# Altium PCB MU2_M.PcbDoc (part 2 of 2)
Units mm, origin at the board's own origin, x right, y up, seen from the top; angles counter-clockwise.
Board outline 200 x 140 mm, 4 copper layers (Top Layer, gnd, PITANIE, Bottom Layer), stack 0.777 mm thick; 379 components, 284 nets, 1704 pads, 111 vias.
Unrouted connection lines stored in the file: 732.
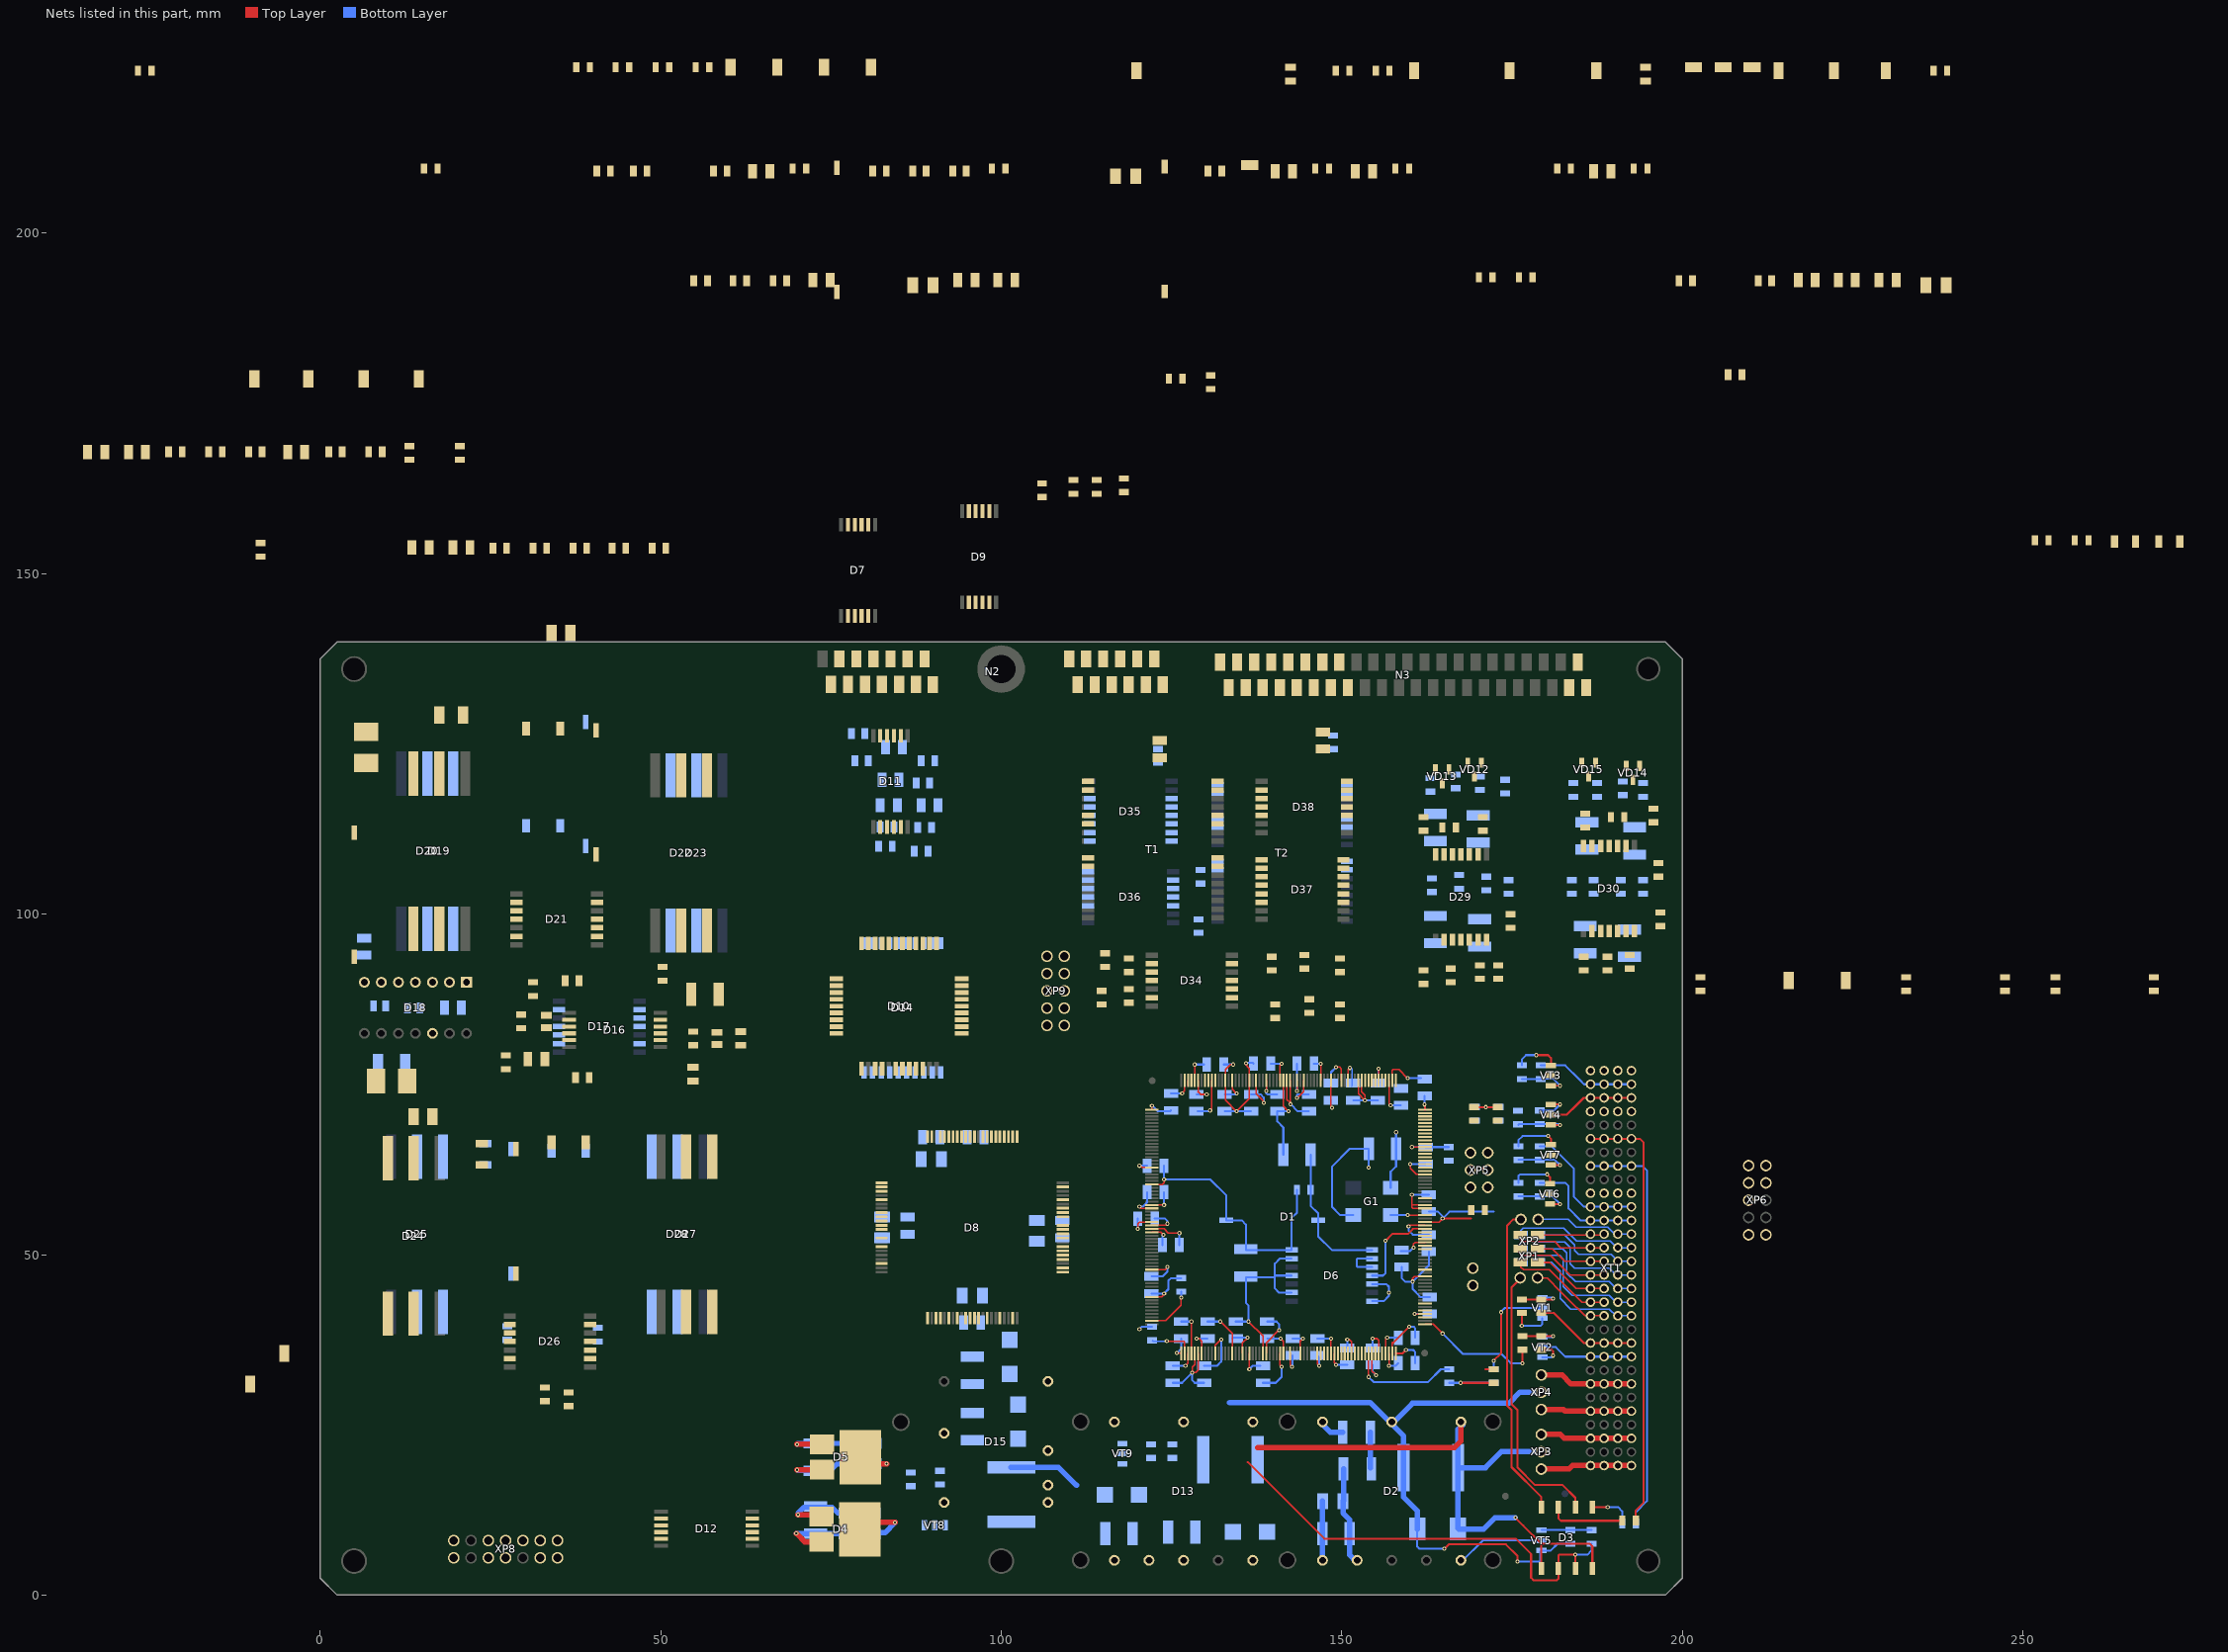
[diagram p4: the nets of this part, all layers, seen from the top]

## Part data
C1: library part K53-56-50V-3u3F±20, "TYPE4"
C2 C65 C86: library part K10-47V-50V-0u47F, "ChipCapasitor"
C3 C7 C9 C10: library part K53-56-10V-6u8F±20, "TYPE2"
C4 C8 C11 C13 C15 C68 C69 C84 C87 C92 C94 C100 C104 C108 C112: library part K10-17V-N90-0u1F, "K10_17V_N90_5"
C5 C6: library part K10-47V-100V-0u01F, "ChipCapasitor"
C12 C16 C23 C73 C77 C79 C81 C83: library part K53-56-6.3V-10uF±20, "TYPE2"
C14: library part K10-17V-N90-0u47F, "ChipCapasitor"
C17 C20 C22 C25 C26 C27 C28 C29 C30 C31 C32 C33 C34 C35 C36 C37 C38 C39 C40 C41 C42 C43 C44 C45 C46 C47 C48 C49 C50 C51 C52 C53 C54 C55 C56 C57 C58 C59 C60 C61 C62 C63 C67 C70 C72 C74 C75 C76 C78 C80 C82 C89 C90 C91 C93 C97 C120 C121 C122: library part K10-17V-N90-0u068F, "ChipCapasitor"
C18 C19 C21 C24 C64 C66 C71: library part K10-17V-N50-0u015F, "K10_17V_N50_4"
C85 C88 C123 C124: library part K53-56-20V-10uF±20, "TYPE3"
C95 C98: library part K10-17V-N50-1000pF, "K10_17V_N50_1"
C96 C99: library part K10-17V-M47-22pF±5, "K10_17V_M47_2"
C102 C106 C110 C114: library part K10-17V-N50-0u022F, "K10_17V_N50_5"
D1: library part 5576XC7T, "ПЛИС"
D2: library part SMSA28xxS, "DC/DC 5W single"
D3: "2x SS-relay"
D4: library part 1325EN3_3U, "Volt reg, Iout=0.8A, Uout=3.3V"
D5: library part 1325EN1_8U, "Volt reg, Iout=0.8A, Uout=1.8V"
D6: "Инв.+гист. х6"
D7 D9 D11 D12 D16: library part 544UD16U3, "operational amplifier"
D8: library part 1874VE7T, "16-bit microcontroller (based on MCS-96)"
D10: library part 1636RR1AU, "EEPLD"
D13: library part SMSA2815D_KR, "DC/DC 5W dual"
D14: library part 1564IR33T
D15: library part SLH2812D_KR, "DC/DC 1.5W dual"
D17 D21 D26 D34: library part 249KP1S, "2ch transistor optocouple"
D18: library part 1401SA1, "4ch volt compar Up=5-30V, Iin<=100nA, output-open collector"
D19 D20 D22 D23 D24 D25 D27 D28: library part 249KP23T, "2ch SS-relay"
D29 D30 D36 D38: library part 1NT251A, "4x n-p-n"
D35 D37: library part 2DS627_BLOCK, "2DS627_BLOCK"
G1: "oscillator 3V3"
N2: library part bSNP333-26, "board analog SNP333-26"
N3: library part bSNP333-44, "board analog SNP333-44"
R1 R6 R11 R19 R22 R41 R74: library part R1-112-0W125-302±5, "chip"
R2 R7 R20 R23: library part R1-112-0W125-822±5, "chip"
R3 R5 R8 R10 R21 R24 R31 R32 R33 R50 R51 R52 R107 R115 R119 R123 R131 R135 R139 R147 R151 R155 R163 R167 R191 R192: library part R1-112-0W125-102±5, "chip"
R4 R9: library part R1-112-0W125-512±5, "chip"
R12 R40 R75: library part R1-112-0W125-273±5, "chip"
R13 R14 R204 R205 R207: library part R1-112-0W125-561±5, "chip"
R15 R16 R17 R25 R77 R79 R88 R89 R93 R95 R103 R104 R170 R171 R172 R173 R187 R188: library part R1-112-0W125-103±5, "chip"
R18: library part R1-112-0W125-563±5, "chip"
R26 R37 R48: library part R1-8MP-0w125-1003±0,1, "chip"
R27 R38 R49: library part R1-8MP-0w125-2492±0,1, "chip"
R28 R39 R53: library part R1-8MP-0w125-2051±0,5, "chip"
R29 R34 R36 R42 R44 R46 R54 R56 R58: library part R1-8MP-0w125-2052±0,1, "chip"
R30 R43 R55 R67 R71: library part R1-8MP-0W125-1001±0,5, "chip"
R35 R45 R57: library part R1-8MP-0w125-5110±0,5, "chip"
R47 R63 R68 R69 R73 R203: library part R1-112-0W125-101±5, "chip"
R59 R60 R121 R137 R153 R169: library part R1-112-0W125-623±5, "chip"
R61*: library part C2-29V-0W125-6491±0_1
R62: library part R1-8MP-0w125-3651±0,1, "chip"
R65: library part R1-8MP-0w125-7681±0,1, "chip"
R66: library part R1-8MP-0w125-1331±0,1, "chip"
R70: library part R1-8MP-0w125-4870±0,5, "chip"
R72: library part R1-8MP-0w125-2801±0,5, "chip"
R76 R92 R201 R202 R206: library part R1-112-0W125-202±5, "chip"
R78 R81 R94 R97 R208 R209: library part R1-8MP-0W125-4991±0,1, "chip"
R80 R96: library part R2-105-2W-R01±5, "chip"
R82 R189 R190: library part R1-112-0W125-751±5, "chip"
R83 R98 R111 R113 R127 R129 R143 R145 R159 R161: library part R1-112-0W125-304±5, "chip"
R84 R85 R90 R91 R99 R100 R105 R106: library part R1-112-0W125-201±1, "chip"
R86 R87 R101 R102: library part R1-112-0W25-392±5, "chip"
R108 R124 R140 R156: library part R1-112-0W125-203±5, "chip"
R116 R132 R148 R164: library part R1-112-0W125-223±5, "chip"
R193 R195 R197 R198 R199 R200: library part R1-112-0W125-911±5, "chip"
R194 R196: library part R1-112-0W125-621±5, "chip"
T1 T2: library part BTI9-215, "BTI9-215"
VD1: "диод"
VD2 VD3: library part 2S108D
VD4 VD6 VD8 VD10: library part 2D212A, "2D212A"
VD5 VD7 VD9 VD11: library part 2S212ZH, "2S212ZH"
VT1 VT2 VT3 VT4 VT5 VT6 VT7 VT8 VT9: "n-p-n"
XP1 XP2: library part SNP346-8VP21-1, "PLS-8"
XP3 XP4: "PLS-3"
XP5: "PLD-6"
XP6: library part SNP346-10VP21-2, "PLD-10 for JTAG"
XP7: library part SNP346-2VP21-1, "PLS-2"
XP8: library part snp346-14vp-21-2, "PLD-14"
XP9: library part SNP346-10VP21-2m, "PLD-10"
XT1: "PC-104 120 pin"

## Free pads (board coordinates)
  round 3.8 hole 3.2: 0(5,5) 0(5,136) 0(100,5)
  round 7 hole 4.2: 0(100,136)
  round 2.6 hole 2 mask+0.15: 0(111.675,5.14) 0(142.025,5.14) 0(142.025,25.46) 0(172.175,5.14) 0(172.175,25.46) mount1(85.275,25.4) mount1(111.675,25.46)
  round 1 smd mask+1: 0(174.025,14.525)
  round 1 smd far side mask+1: 0(182.775,14.9)
  round 3.6 hole 3: 0(195,5) 0(195,136)

## Via types
v1: diameter 0.6, hole 0.3, Top Layer to Bottom Layer, 111 vias

## Nets (pads, with @x,y where several pads share a name; then routed paths per layer and width w, separated by ;. In a path a pad name is that pad's centre, name@x,y a point inside that pad or via, vN(x,y) a via of type N, cw(c..) or ccw(c..) an arc to the next point about the centre after c; other vN are vias at no path point)
+1V8: C12.plus C25.2 C26.2 C27.2 C28.2 C29.2 C30.2 C31.2 C32.2 C33.2 C34.2 C35.2 C36.2 C37.2 C38.2 C39.2 C40.2 C56.2 C57.2 C58.2 C59.2 C60.2 C61.2 D1.30 D1.66 D1.67 D1.70 D1.79 D1.92 D1.94 D1.106 D1.113 D1.123 D1.127 D1.163 D1.165 D1.193 D1.195 D1.199 D1.203 D1.211 D1.223 D1.243 D1.251 D1.253 D5.1 R205.2 | length 112
  Top Layer w0.2: D1.165@122.125,53.3 123.423,53.3 v1(123.799,52.925) ; D1.163@122.125,54.3 124.174,54.3 v1(124.424,54.55) ; v1@125.85,35.5 D1.193@126.425,35.5 ; v1(126.55,73.675) 126.925,74.05 D1.127@126.925,75.6 ; v1(127.05,33.675) 127.425,34.05 D1.195@127.425,35.5 ; v1(128.675,37.675) 129.05,37.675 129.425,37.3 D1.199@129.425,35.5 ; 128.925,73.925 D1.123@128.925,75.6 ; D1.203@131.425,35.5 131.425,36.675 v1(132.3,37.55) ; D1.113@133.925,75.6 133.925,74.3 v1(134.55,73.675) ; D1.211@135.425,35.5 135.425,37.05 v1(136.175,37.8) ; D1.106@137.425,75.6 137.425,73.675 138.55,72.55 v1(138.55,72.3) ; v1(141.05,37.675) 141.425,37.3 D1.223@141.425,35.5 ; v1@143.425,74.051 v1(143.424,74.05) 143.424,75.599 D1.94@143.425,75.6 ; v1@143.55,73.05 144.425,73.925 D1.92@144.425,75.6 ; v1(150.8,37.55) 151.05,37.55 151.425,37.175 D1.243@151.425,35.5 ; D1.79@150.925,75.6 150.925,77.175 v1(151.175,77.425) ; 155.175,37.675 155.425,37.425 D1.251@155.425,35.5 ; v1(155.387,77.3) 155.425,77.263 D1.70@155.425,75.6 ; D1.253@156.425,35.5 156.425,37.55 v1(156.675,37.8) ; D1.67@156.925,75.6 156.925,72.175 v1(157.175,71.925) ; D1.66@157.425,75.6 157.425,77.05 157.55,77.175 158.425,77.175 v1(159.675,75.925) ; v1(159.8,54.175) 159.925,54.3 D1.30@162.225,54.3
  Top Layer w0.3: 128.925,73.925 129.299,73.551 v1(130.176,73.551) ; v1(154.55,37.675) 155.175,37.675
  Top Layer w0.5: D5.1@79.3,20.275 D5.1@80.275,19.3
  Top Layer w0.8: D5.1@80.275,19.3 v1(83.175,19.3)
  Bottom Layer w0.2: v1(151.175,77.425) 151.425,77.425 151.55,77.3 151.55,74.8 C27.2@151.425,74.675 ; v1(155.387,77.3) 155.387,75.388 155.512,75.263 C26.2@155.425,75.175
  Bottom Layer w0.3: C33.2@122.55,55.3 124.05,55.3 124.424,54.926 v1(124.424,54.55) ; C34.2@123.675,51.425 123.675,52.801 v1(123.799,52.925) ; C58.2@124.925,73.675 v1(126.55,73.675) ; C60.2@125.175,33.675 v1(127.05,33.675) ; v1@125.85,35.5 v1(125.8,35.55) 126.425,36.175 C59.2@126.425,37.675 ; v1(128.675,37.675) C35.2@130.3,37.675 ; C32.2@128.675,73.55 v1@130.3,73.55 ; C36.2@129.8,33.675 131.675,33.675 132.3,34.3 v1(132.3,37.55) ; v1(130.176,73.551) v1@130.299,73.551 ; C31.2@132.8,73.55 134.425,73.55 v1(134.55,73.675) ; C37.2@133.925,37.675 134.05,37.8 v1(136.175,37.8) ; C30.2@136.675,73.55 138.06,73.55 138.55,73.06 v1(138.55,72.3) ; C38.2@139.05,37.675 v1(141.05,37.675) ; v1@143.425,74.051 C29.2@143.425,78.05 ; v1@143.55,73.05 v1(143.425,73.05) 143.425,73.425 143.55,73.55 C28.2@145.175,73.55 ; C39.2@150.8,36.3 v1(150.8,37.55) ; C40.2@154.55,36.3 v1(154.55,37.675) ; v1(156.675,37.8) C61.2@158.3,37.8 ; v1(157.175,71.925) C57.2@158.675,71.925 ; v1(159.675,75.925) C56.2@161.675,75.925 ; v1(159.8,54.175) 159.8,53.55 160.425,52.925 C25.2@162.8,52.925
  Bottom Layer w0.75: C12.plus@81.3,19.3 v1(83.175,19.3)
+3V3: C9.plus C13.1 C15.2 C16.plus C17.2 C22.2 C23.plus C41.2 C42.2 C43.2 C44.2 C45.2 C46.2 C47.2 C48.2 C49.2 C50.2 C51.2 C52.2 C53.2 C54.2 C55.2 C62.1 C70.2 C72.2 C73.plus C75.1 C76.1 C77.plus C78.1 C79.plus C80.1 C81.plus C82.1 C83.plus D1.4 D1.25 D1.31 D1.53 D1.81 D1.99 D1.103 D1.124 D1.151 D1.158 D1.184 D1.213 D1.225 D1.233 D1.254 D4.1 D6.14 D8.11 D8.33 D8.56 D8.60 D8.78 D8.86 D10.42 D14.20 G1.4 R1.1 R6.1 R15.2 R16.2 R17.2 R18.2 R19.1 R22.1 R25.2 R31.2 R59.2 R69.2 R77.2 R88.2 R89.2 R93.2 R103.2 R104.2 R170.2 R171.2 R172.2 R173.1 R201.2 R202.2 R204.2 VD1.Minus XP6.4 XP8.1 XP8.2 XP9.1 XP9.3 | length 167.3
  Top Layer w0.2: v1(120.3,57.05) 120.55,56.8 D1.158@122.125,56.8 ; D1.184@122.125,43.8 123.55,43.8 123.925,44.175 v1(123.925,44.3) ; D1.151@122.125,60.3 123.675,60.3 123.925,60.55 v1(123.925,61.05) ; D1.124@128.425,75.6 v1(128.425,77.925) ; v1(136.425,33.175) D1.213@136.425,35.5 ; v1(138.925,74.05) D1.103@138.925,75.6 ; D1.99@140.925,75.6 140.925,77.801 v1(141.174,78.05) ; D1.225@142.425,35.5 142.425,33.8 v1(142.675,33.55) ; D1.233@146.425,35.5 146.425,33.925 v1(146.675,33.675) ; v1(149.175,77.55) 149.675,77.55 149.925,77.3 D1.81@149.925,75.6 ; v1(156.925,33.675) 156.925,33.924 156.925,33.925 D1.254@156.925,35.5 ; v1(160.3,65.8) D1.53@162.225,65.8 D1.53@162.875,65.8 ; v1(160.55,51.05) 160.55,51.55 160.8,51.8 D1.25@162.225,51.8 ; v1(160.675,41.3) D1.4@162.225,41.3 ; D1.31@162.225,54.8 164.3,54.8 v1(164.8,55.3)
  Top Layer w0.3: D4.1@79.225,9.675 D4.1@79.725,9.175 ; v1(164.8,55.3) 169,55.3 ; v1(167.425,31.175) R25.2@171.925,31.175 ; R16.2@169.425,71.675 R15.2@172.925,71.675
  Top Layer w0.5: D4.1@79.725,9.175 D4.1@81.225,10.675
  Top Layer w0.8: D4.1@81.225,10.675 v1(84.425,10.675)
  Bottom Layer w0.2: v1(160.3,65.8) C44.2@162.3,65.8
  Bottom Layer w0.3: v1(120.3,39.05) 120.675,39.425 R171.2@122.175,39.425 ; v1(120.3,57.05) 120.8,57.05 121.425,57.675 C50.2@121.425,59.175 ; C51.2@122.05,44.3 v1@123.675,44.3 ; v1(123.925,44.3) 124.55,44.925 124.55,46.175 124.925,46.55 R170.2@126.425,46.55 ; C49.2@123.925,63.05 v1(123.925,61.05) 130.675,61.05 133.05,58.675 VD1.Minus@133.05,55.05 135.3,55.05 135.925,54.425 135.925,50.675 D6.14@142.65,50.675 142.65,55.4 143.425,56.175 R18.2@143.425,59.55 ; v1(128.425,77.925) C48.2@129.8,77.925 ; v1(136.425,33.175) 136.925,33.675 C52.2@138.05,33.675 ; v1(138.925,74.05) 138.925,73.675 139.05,73.55 C47.2@140.55,73.55 ; C46.2@139.55,78.05 v1(141.174,78.05) ; v1(142.675,33.55) 142.8,33.675 C53.2@142.8,35.175 ; C54.2@146.425,35.175 146.675,34.925 v1(146.675,33.675) ; C45.2@148.425,75.175 148.425,76.8 v1(149.175,77.55) ; G1.4@151.675,55.8 149.8,55.8 148.55,57.05 148.55,62.925 151.175,65.55 C15.2@153.975,65.55 v1(153.975,62.775) ; v1(156.925,33.675) 157.925,33.675 C55.2@158.3,34.05 ; C42.2@158.675,50.55 160.05,50.55 v1(160.55,51.05) ; v1(160.675,41.3) C41.2@162.925,41.3 ; C44.2@162.3,65.8 R22.1@165.675,65.8 ; C43.2@162.8,56.3 164.125,56.3 164.8,55.625 ; v1(164.8,55.3) 165.8,56.3 172.3,56.3 ; R172.2@165.8,31.175 R1.1@172.3,31.175 R1.1@172.425,31.175 ; R6.1@169.3,71.675 R17.2@172.8,71.675
  Bottom Layer w0.8: C9.plus@81.175,9.175 82.925,9.175 v1(84.425,10.675)
  other v1: 171.175,71.675
+5V: C3.plus C4.2 C7.plus C8.2 C10.plus C11.2 C100.2 C104.2 C108.2 C112.2 C120.2 C121.2 D2.1 D4.2 D5.2 R107.2 R108.2 R123.2 R124.2 R139.2 R140.2 R155.2 R156.2 R187.2 R188.2 R191.2 R192.2 R207.2 | length 33.8
  Top Layer w0.5: D4.2@72.175,7.8 72.887,7.088 D4.2@73.625,7.825 ; D5.2@72.925,18.4 73.325,18.8 D5.2@73.7,18.425
  Top Layer w0.8: v1(69.925,9.05) 71.175,7.8 D4.2@72.175,7.8 ; v1(70.025,18.4) D5.2@72.925,18.4
  Bottom Layer w0.75: v1(69.925,9.05) 69.95,9.025 C7.plus@77.275,9.025 C7.plus@77.65,9.025 ; v1(70.025,18.4) 70.15,18.275 C11.2@72.65,18.275 74.9,18.275 75.9,19.275 C10.plus@77.4,19.275 C10.plus@77.775,19.275
  Bottom Layer w0.8: D2.1@147.175,4.8 D2.1@147.175,5.115 C4.2@147.175,9.05 C3.plus@147.175,13.8
+5V1: R13.2 XT1.23 XT1.53 XT1.83 XT1.113 | length 61
  Bottom Layer w0.3: XT1.23@186.525,63.025 XT1.53@188.525,63.025 XT1.83@190.525,63.025 XT1.113@192.525,63.025 194.15,63.025 194.8,62.375 194.8,13.8 193.175,12.175 R13.2@193.175,10.55
+5V2: R14.2 XT1.25 XT1.55 XT1.85 XT1.115 | length 64
  Top Layer w0.3: XT1.25@186.525,67.025 XT1.55@188.525,67.025 XT1.85@190.525,67.025 XT1.115@192.525,67.025 193.775,67.025 194.3,66.5 194.3,13.55 193.175,12.425 R14.2@193.175,10.925
+15V: C74.1 C84.2 C85.plus C89.2 C90.2 C122.2 D7.14 D9.14 D11.14 D12.14 D13.1 R206.2
+28V: C1.Plus C2.2 C65.2 C86.2 D2.6 D3.5 D3.8 D13.6 D15.1 XP3.2 | length 90.5
  Top Layer w0.3: v1(175.5,11.375) 175.5,11.35 176.65,10.2 179.3,7.55 ; D3.5@179.3,3.925 179.3,7.55 ; D3.8@186.8,3.925 186.8,7.175 186.425,7.55 179.3,7.55
  Top Layer w0.8: 137.675,21.675 166.55,21.675 167.495,22.62 D2.6@167.495,25.12
  Bottom Layer w0.8: D2.6@167.78,25.03 167.085,24.335 C2.2@167.085,18.71 ; v1(175.5,11.375) 172.5,11.375 170.835,9.71 167.21,9.71 167.085,9.835 C2.2@167.085,18.71 ; XP3.2@179.3,21.05 173.425,21.05 171.085,18.71 C2.2@167.085,18.71
+F1: D1.55 R84.1
+F2: D1.56 R85.1
+F3: D1.57 R99.1
+F4: D1.58 R100.1
-15V: C20.1 C63.1 C67.1 C87.1 C88.minus D7.6 D9.6 D11.6 D13.3 R121.1 R137.1 R153.1 R169.1
-28V: C1.Minus C2.1 C65.1 C86.1 D2.7 D13.7 D15.2 R11.1 R41.1 R74.2 VT5.E VT8.E VT9.E XP4.2 | length 105.5
  Top Layer w0.3: v1(165.05,6.8) 165.705,7.455 174.095,7.455 175.8,5.75 v1(175.8,4.925)
  Bottom Layer w0.3: C1.Minus@161.085,9.71 161.085,7.14 161.425,6.8 v1(165.05,6.8) ; v1(175.8,4.925) 179.05,4.925 179.175,5.05 179.175,6.395 VT5.E@179.33,6.55 180.675,6.55 181.675,7.55 R11.1@183.55,7.55
  Bottom Layer w0.8: C65.1@101.425,18.75 108.425,18.75 111.05,16.125 ; 133.55,28.3 154.155,28.3 D2.7@157.335,25.12 ; C1.Minus@161.085,9.71 161.085,12.39 159.085,14.39 C2.1@159.085,18.71 159.085,23.37 D2.7@157.335,25.12 ; XP4.2@179.3,29.8 176.175,29.8 174.55,28.175 160.39,28.175 D2.7@157.335,25.12
-F1: D1.59 R90.1
-F2: D1.60 R91.1
-F3: D1.61 R105.1
-F4: D1.62 R106.1
\RD_1: D8.68 D10.31
\RESET_1: D1.241 XP8.13
\RSTCPU: D1.247 D8.15 R47.1 R202.1
\SS: D1.246 D8.18
\WE_1: D8.40 R201.1 R203.1
A0_1: D10.13 D14.19
A1_1: D10.12 D14.18
A2_1: D10.11 D14.17
A3_1: D10.10 D14.16
A4_1: D10.9 D14.15
A5_1: D10.8 D14.14
A6_1: D10.7 D14.13
A7_1: D10.6 D14.12
AD0_1: D8.67 D10.14 D14.2
AD1_1: D8.66 D10.18 D14.3
AD2_1: D8.65 D10.19 D14.4
AD3_1: D8.63 D10.22 D14.5
AD4_1: D8.62 D10.23 D14.6
AD5_1: D8.61 D10.24 D14.7
AD6_1: D8.59 D10.25 D14.8
AD7_1: D8.58 D10.28 D14.9
AD8_1: D8.52 D10.35
AD9_1: D8.51 D10.34
AD10_1: D8.50 D10.30
AD11_1: D8.49 D10.33
AD12_1: D8.48 D10.4
AD13_1: D8.47 D10.36
AD14_1: D8.46 D10.37
AD15_1: D8.45 D10.3
ADC_MID: D8.8 R36.2 R46.2 R58.2 R59.1 R60.2
ADDR1: D1.118 R15.1 XP5.4
ADDR2: D1.120 R16.1 XP5.5
ADDR3: D1.121 R17.1 XP5.6
ALE_1: D8.69 D14.1
CASE: C6.1 D2.8 D13.8 K2.1 K3.1 K4.1 N1.1.1 N3.43 XT1.30 XT1.60 XT1.90 XT1.120 | length 3.5
  Bottom Layer w0.8: D2.8@147.175,25.12 147.175,25.05 148.3,23.925 C6.1@150.125,23.925
CLK: D1.33 G1.3 | length 5
  Top Layer w0.2: v1(159.674,55.8) D1.33@162.225,55.8
  Bottom Layer w0.3: G1.3@157.175,55.8 v1(159.674,55.8)
CLKCPU: D1.250 D8.74
DBGNMI: D8.75 R32.2 XP8.7
DBGRXD0: D8.27 R33.2 XP8.5
DBGTXD0: D8.26 XP8.11
DIR1: D1.23 R19.2 VT6.C
DIR2: D1.24 R22.2 VT7.C
FOUT1: D1.63 D21.11 R88.1
FOUT2: D1.69 D21.4 R89.1
FOUT3: D1.71 D26.11 R104.1
FOUT4: D1.72 D26.4 R103.1
GND: C3.minus C4.1 C5.2 C7.minus C8.1 C9.minus C10.minus C11.1 C12.minus C13.2 C14.1 C15.1 C16.minus C17.1 C20.2 C22.1 C23.minus C25.1 C26.1 C27.1 C28.1 C29.1 C30.1 C31.1 C32.1 C33.1 C34.1 C35.1 C36.1 C37.1 C38.1 C39.1 C40.1 C41.1 C42.1 C43.1 C44.1 C45.1 C46.1 C47.1 C48.1 C49.1 C50.1 C51.1 C52.1 C53.1 C54.1 C55.1 C56.1 C57.1 C58.1 C59.1 C60.1 C61.1 C62.2 C63.2 C67.2 C70.1 C72.1 C73.minus C74.2 C75.2 C76.2 C77.minus C78.2 C79.minus C80.2 C81.minus C82.2 C83.minus C84.1 C85.minus C87.2 C88.plus C89.1 C90.1 C100.1 C102.1 C104.1 C106.1 C108.1 C110.1 C112.1 C114.1 C120.1 C121.1 C122.1 D1.15 D1.35 D1.36 D1.45 D1.64 D1.75 D1.76 D1.84 D1.87 D1.96 D1.97 D1.98 D1.108 D1.115 D1.119 D1.129 D1.146 D1.157 D1.162 D1.164 D1.176 D1.196 D1.197 D1.198 D1.208 D1.217 D1.218 D1.222 D1.228 D1.237 D1.238 D1.249 D1.255 D1.256 D2.2 D4.3 D5.3 D6.5 D6.7 D6.9 D6.11 D6.13 D8.3 D8.12 D8.34 D8.53 D8.55 D8.57 D8.71 D8.76 D8.77 D10.1 D10.2 D10.15 D10.16 D10.21 D10.29 D10.40 D12.6 D13.2 D14.10 D14.11 D17.6 D17.13 D19.1 D20.1 D21.6 D21.13 D22.3 D23.3 D24.1 D25.1 D26.6 D26.13 D27.3 D28.3 D34.6 D34.13 G1.2 N1.25.1 N3.3 N3.4 N3.7 N3.8 N3.11 N3.12 N3.15 N3.16 R3.1 R5.2 R8.1 R10.2 R21.1 R24.1 R27.1 R30.2 R32.1 R33.1 R35.1 R38.1 R43.2 R45.1 R49.1 R50.1 R51.1 R52.1 R55.2 R57.1 R60.1 R61*.1 R63.2 R67.2 R68.1 R71.2 R73.1 R119.1 R135.1 R151.1 R167.1 VD2.A VD12.1 VD12.2 VD13.1 VD13.2 VD14.1 VD14.2 VD15.1 VD15.2 VT1.E VT2.E VT3.E VT4.E VT6.E VT7.E XP5.1 XP5.2 XP5.3 XP6.2 XP6.10 XP7.1 XP8.6 XP8.8 XP8.10 XP8.12 XP8.14 XP9.2 XP9.4 XP9.6 XP9.8 XP9.10 XT1.21 XT1.27 XT1.51 XT1.57 XT1.81 XT1.87 XT1.111 XT1.117 | length 324.5
  Top Layer w0.2: v1(120.05,53.8) 120.05,54.55 120.3,54.8 D1.162@122.125,54.8 ; v1(120.3,63.05) 120.425,63.05 120.675,62.8 D1.146@122.125,62.8 ; D1.176@122.125,47.8 124.05,47.8 v1(124.425,48.175) ; D1.164@122.125,53.8 123.913,53.8 124.538,53.175 v1(126.175,53.175) ; D1.157@122.125,57.3 v1(123.925,57.3) ; D1.129@122.125,71.3 v1(122.125,71.85) ; D1.196@127.925,35.5 v1(127.925,40.175) ; D1.197@128.425,35.5 128.425,33.837 128.05,33.462 v1(128.05,32.675) 128.55,32.675 128.925,33.05 D1.198@128.925,35.5 ; v1(130.675,71.175) 130.925,71.425 D1.119@130.925,75.6 ; v1(132.175,40.175) 133.925,38.425 D1.208@133.925,35.5 ; v1(134.05,77.925) 133.675,77.925 132.925,77.175 D1.115@132.925,75.6 132.925,72.675 v1(134.55,71.05) 136.425,72.925 D1.108@136.425,75.6 136.425,77.35 135.801,77.974 v1(135.926,78.099) ; v1(136.3,40.175) 138.425,38.05 D1.217@138.425,35.5 ; D1.218@138.925,35.5 138.925,37.05 v1(140.8,38.925) ; D1.222@140.925,35.5 140.925,33.8 v1(141.175,33.55) ; D1.98@141.425,75.6 141.425,71.8 v1(142.175,71.05) ; D1.97@141.925,75.6 141.925,72.8 v1@142.425,72.3 ; D1.96@142.425,75.6 v1@142.425,72.3 ; v1(142.487,72.112) 142.425,72.175 v1@142.425,72.3 ; D1.228@143.925,35.5 143.925,37.3 v1(144.3,37.675) ; D1.87@146.925,75.6 v1(146.925,78.05) ; D1.237@148.425,35.5 v1(148.425,37.675) ; D1.84@148.425,75.6 148.425,71.675 v1(148.55,71.55) ; D1.238@148.925,35.5 148.925,34.175 149.176,33.924 v1(149.176,33.8) ; D1.76@152.425,75.6 152.425,73.625 v1(153.4,72.65) 153.4,73.45 152.925,73.925 D1.75@152.925,75.6 ; D1.249@154.425,35.5 154.425,32.925 v1(155.05,32.3) ; D1.255@157.425,35.5 157.425,37.05 ; v1(160.05,63.3) 160.05,62.675 160.925,61.8 D1.45@162.225,61.8 ; v1(160.3,58.8) 160.3,57.3 ; 160.425,46.55 160.675,46.8 D1.15@162.225,46.8 ; D1.35@162.225,56.8 160.425,56.8 160.3,56.925 160.3,57.3 ; D1.36@162.225,57.3 160.3,57.3